# KiCad board CXD-ROUTER-v1.1.0.kicad_pcb (continued)
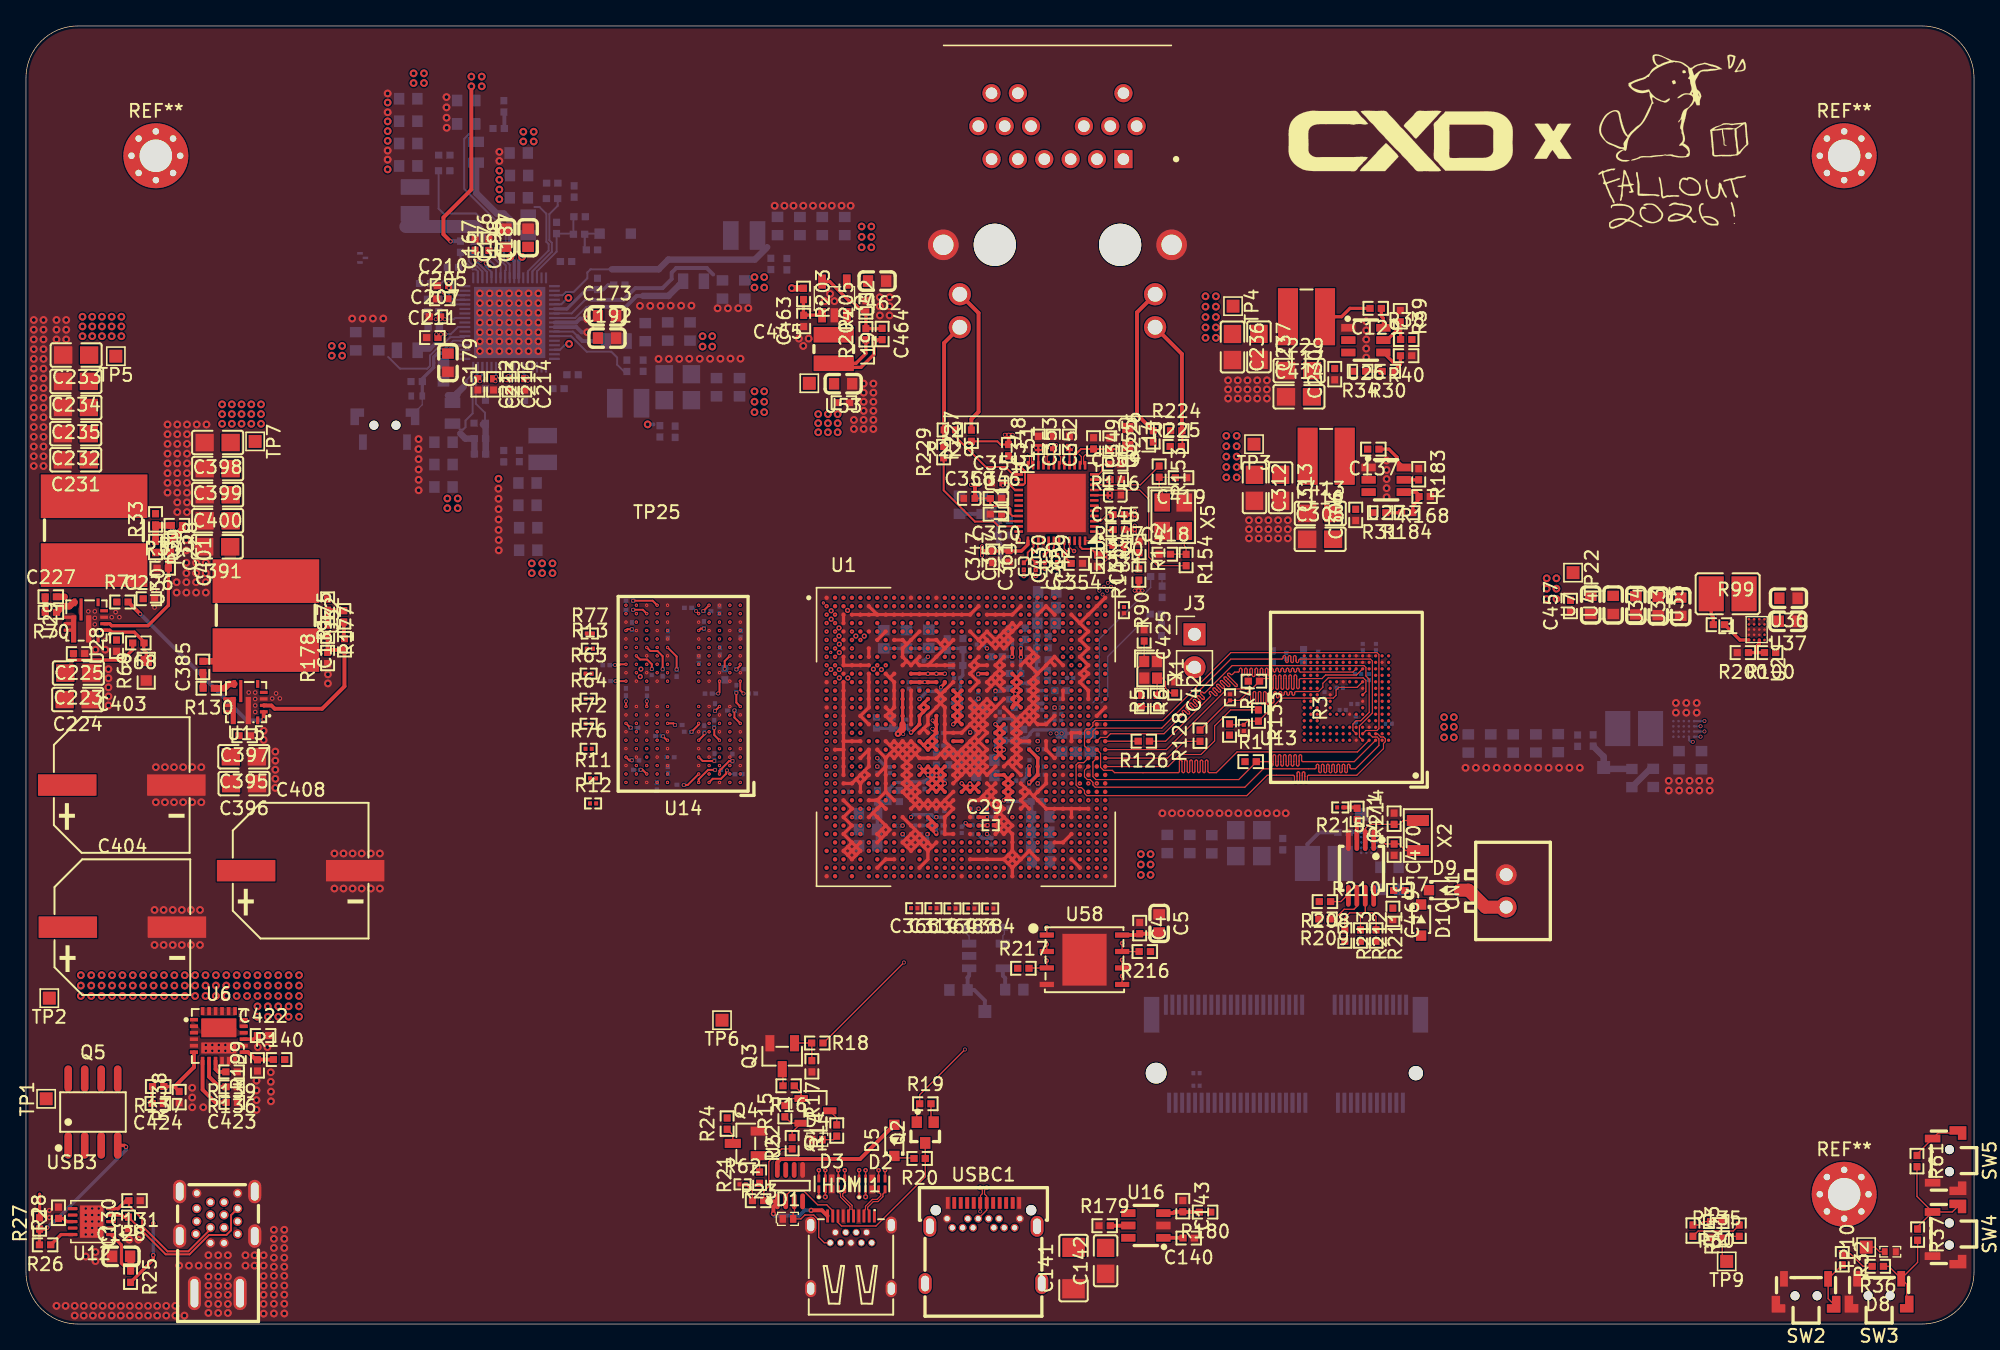
[diagram p0: board, top side]
## Routing (per net, layer and track width the routed paths; a pad name or vN(x,y) marks a point on that pad's centre or on a via; arc(x,y) is an arc through that point) (continued)
eMMC_D4: length 34
  Top w0.09: U13.B3 104.07,45.48 104.32,45.23 104.53,45.23 104.67,45.08 104.67,44.87 104.53,44.73 104.53,44.33 102.48,42.28 98.77,42.28 arc(98.7,42.25) 98.67,42.18 98.67,41.81 arc(98.64,41.74) 98.57,41.71 arc(98.5,41.74) 98.47,41.81 98.47,42.44 arc(98.44,42.51) 98.37,42.54 arc(98.3,42.51) 98.27,42.44 98.27,41.81 arc(98.24,41.74) 98.17,41.71 arc(98.1,41.74) 98.07,41.81 98.07,42.44 arc(98.04,42.51) 97.97,42.54 arc(97.9,42.51) 97.87,42.44 97.87,41.81 arc(97.84,41.74) 97.77,41.71 arc(97.7,41.74) 97.67,41.81 97.67,42.18 arc(97.64,42.25) 97.57,42.28 95.58,42.28 94.01,40.71 81.68,40.71 81.51,40.88 81.51,41.09 81.27,41.33 81.06,41.33 80.86,41.53 80.86,43.07 81.03,43.25 81.45,43.25 U1.Y32
eMMC_D5: length 34
  Top w0.09: U1.AA32 81.51,42.66 81.51,42.17 81.73,41.95 81.93,41.95 82.15,41.73 82.15,41.53 82.33,41.36 93.86,41.36 95.27,42.78 99.25,42.78 arc(99.32,42.8) 99.35,42.88 99.35,43.02 arc(99.38,43.09) 99.45,43.12 arc(99.52,43.09) 99.55,43.02 99.55,42.58 arc(99.58,42.51) 99.65,42.48 arc(99.72,42.51) 99.75,42.58 99.75,43.02 arc(99.78,43.09) 99.85,43.12 arc(99.92,43.09) 99.95,43.02 99.95,42.58 arc(99.98,42.51) 100.05,42.48 arc(100.12,42.51) 100.15,42.58 100.15,43.02 arc(100.18,43.09) 100.25,43.12 arc(100.32,43.09) 100.35,43.02 100.35,42.58 arc(100.38,42.51) 100.45,42.48 arc(100.52,42.51) 100.55,42.58 100.55,43.02 arc(100.58,43.09) 100.65,43.12 arc(100.72,43.09) 100.75,43.02 100.75,42.58 arc(100.78,42.51) 100.85,42.48 arc(100.92,42.51) 100.95,42.58 100.95,43.02 arc(100.98,43.09) 101.05,43.12 arc(101.12,43.09) 101.15,43.02 101.15,42.58 arc(101.18,42.51) 101.25,42.48 arc(101.32,42.51) 101.35,42.58 101.35,43.02 arc(101.38,43.09) 101.45,43.12 arc(101.52,43.09) 101.55,43.02 101.55,42.58 arc(101.58,42.51) 101.65,42.48 arc(101.72,42.51) 101.75,42.58 101.75,43.02 arc(101.78,43.09) 101.85,43.12 arc(101.92,43.09) 101.95,43.02 101.95,42.88 arc(101.98,42.8) 102.05,42.78 102.37,42.78 104.17,44.58 104.17,45.08 104.03,45.23 103.67,45.23 U13.B4
eMMC_D6: length 34
  Top w0.09: U1.W32 81.51,44.55 81.51,45.67 81.68,45.84 81.92,45.84 82.15,46.08 82.15,46.32 82.33,46.5 87.55,46.5 92.77,51.73 104.03,51.73 104.17,51.58 104.17,45.87 104.03,45.73 103.17,45.73 U13.B5
eMMC_D7: length 34.1
  Top w0.09: U13.B6 102.17,45.73 102.17,46.23 102.42,46.47 102.77,46.47 103.42,47.12 103.42,49.68 103.17,49.93 103.17,50.58 103.03,50.73 92.87,50.73 90.79,48.64 arc(90.71,48.61) 90.64,48.64 90.61,48.67 arc(90.54,48.7) 90.47,48.67 arc(90.44,48.6) 90.47,48.53 90.71,48.29 arc(90.74,48.21) 90.71,48.14 arc(90.64,48.11) 90.57,48.14 90.33,48.38 arc(90.26,48.41) 90.19,48.38 arc(90.16,48.31) 90.19,48.24 90.43,48 arc(90.46,47.93) 90.43,47.86 arc(90.36,47.83) 90.29,47.86 90.05,48.1 arc(89.98,48.13) 89.9,48.1 arc(89.88,48.03) 89.9,47.96 90.15,47.72 arc(90.18,47.65) 90.15,47.58 arc(90.08,47.55) 90,47.58 89.76,47.82 arc(89.69,47.85) 89.62,47.82 arc(89.59,47.75) 89.62,47.68 89.86,47.44 arc(89.89,47.37) 89.86,47.3 arc(89.79,47.27) 89.72,47.3 89.48,47.54 arc(89.41,47.57) 89.34,47.54 arc(89.31,47.47) 89.34,47.39 89.58,47.15 arc(89.61,47.08) 89.58,47.01 arc(89.51,46.98) 89.44,47.01 89.2,47.25 arc(89.13,47.28) 89.06,47.25 arc(89.03,47.18) 89.06,47.11 89.09,47.08 arc(89.12,47.01) 89.09,46.94 87.62,45.48 83.5,45.48 83.22,45.2 82.74,45.2 U1.V33
eMMC_DATA_STROBE: length 26.7
  Top w0.09: U13.H5 103.17,48.73 103.17,49.58 102.97,49.78 100.28,49.78 99.86,49.36 99.86,49.06 99.53,48.73 97.79,48.73 arc(97.72,48.7) 97.69,48.62 97.69,48.54 arc(97.66,48.47) 97.59,48.44 arc(97.52,48.47) 97.49,48.54 97.49,48.62 arc(97.46,48.7) 97.39,48.73 arc(97.32,48.7) 97.29,48.62 97.29,48.54 arc(97.26,48.47) 97.19,48.44 arc(97.12,48.47) 97.09,48.54 97.09,48.62 arc(97.06,48.7) 96.99,48.73 arc(96.92,48.7) 96.89,48.62 96.89,48.54 arc(96.86,48.47) 96.79,48.44 arc(96.72,48.47) 96.69,48.54 96.69,48.62 arc(96.66,48.7) 96.59,48.73 arc(96.52,48.7) 96.49,48.62 96.49,48.34 arc(96.46,48.27) 96.39,48.24 arc(96.32,48.27) 96.29,48.34 96.29,48.62 arc(96.26,48.7) 96.19,48.73 arc(96.12,48.7) 96.09,48.62 96.09,47.94 arc(96.06,47.87) 95.99,47.84 arc(95.92,47.87) 95.89,47.94 95.89,48.62 arc(95.86,48.7) 95.79,48.73 arc(95.72,48.7) 95.69,48.62 95.69,47.84 arc(95.66,47.77) 95.59,47.74 arc(95.52,47.77) 95.49,47.84 95.49,48.62 arc(95.46,48.7) 95.39,48.73 arc(95.32,48.7) 95.29,48.62 95.29,47.84 arc(95.26,47.77) 95.19,47.74 arc(95.12,47.77) 95.09,47.84 95.09,48.62 arc(95.06,48.7) 94.99,48.73 arc(94.92,48.7) 94.89,48.62 94.89,47.84 arc(94.86,47.77) 94.79,47.74 arc(94.72,47.77) 94.69,47.84 94.69,48.62 arc(94.66,48.7) 94.59,48.73 arc(94.52,48.7) 94.49,48.62 94.49,47.84 arc(94.46,47.77) 94.39,47.74 arc(94.32,47.77) 94.29,47.84 94.29,48.62 arc(94.26,48.7) 94.19,48.73 94.14,48.73 93.45,48.04 R4.2
  Top w0.1: R128.1 92.68,48.04 R4.2
eMMC_RSTn: length 11.9
  Top w0.09: R3.2 92.74,46.17 C3.1 94.05,46.44 R133.1 96.68,48.23 100.67,48.23 100.87,48.43 100.87,48.83 101.09,49.05 102.49,49.05 U13.K5
FSPI_CLK: length 16.5
  Top w0.1: 84.4,27.47 84.4,28.04
  In1.Cu w0.09: 82.47,40.33 v7(82.75,40.05)
  In2.Cu w0.1: v9(84.39,28.05) 84.3,28.05 83.75,28.6 83.75,37.26 arc(83.78,37.33) 83.85,37.36 83.98,37.36 arc(84.05,37.38) 84.08,37.46 arc(84.05,37.53) 83.98,37.56 83.52,37.56 arc(83.45,37.58) 83.42,37.66 arc(83.45,37.73) 83.52,37.76 83.98,37.76 arc(84.05,37.78) 84.08,37.86 arc(84.05,37.93) 83.98,37.96 83.52,37.96 arc(83.45,37.98) 83.42,38.06 arc(83.45,38.13) 83.52,38.16 83.98,38.16 arc(84.05,38.18) 84.08,38.26 arc(84.05,38.33) 83.98,38.36 83.85,38.36 arc(83.78,38.38) 83.75,38.46 83.75,39.05 v7(82.75,40.05)
  vias: v2(82.45,40.35)
FSPI_CS0: length 15.8
  Top w0.1: v9(78.6,30.55) 78.61,30.55 U58.1
  In1.Cu w0.09: 81.13,42.28 v7(80.85,42)
  In2.Cu w0.1: v7(80.85,42) 80,41.15 80,34.6 arc(80.03,34.53) 80.1,34.5 80.2,34.5 arc(80.27,34.48) 80.3,34.4 arc(80.27,34.33) 80.2,34.3 79.8,34.3 arc(79.73,34.28) 79.7,34.2 arc(79.73,34.13) 79.8,34.1 80.2,34.1 arc(80.27,34.08) 80.3,34 arc(80.27,33.93) 80.2,33.9 79.8,33.9 arc(79.73,33.88) 79.7,33.8 arc(79.73,33.73) 79.8,33.7 80.2,33.7 arc(80.27,33.68) 80.3,33.6 arc(80.27,33.53) 80.2,33.5 80.1,33.5 arc(80.03,33.48) 80,33.4 80,32 78.6,30.6 v9(78.6,30.55)
  vias: v2(81.15,42.3)
FSPI_D0: length 16.5
  Top w0.1: 84.4,26.22 84.4,26.79
  In1.Cu w0.09: 81.82,41.63 v7(82.1,41.35)
  In2.Cu w0.1: v9(84.39,26.8) 83.05,28.14 83.05,39.15 82.1,40.1 v7(82.1,41.35)
  vias: v2(81.8,41.65)
FSPI_D1: length 16.5
  Top w0.1: 78.6,28.68 78.6,29.25
  In1.Cu w0.09: 81.13,41.63 v7(80.85,41.35)
  In2.Cu w0.1: v9(78.6,29.26) 80.85,31.51 80.85,35.76 arc(80.88,35.83) 80.95,35.86 81.05,35.86 arc(81.12,35.89) 81.15,35.96 arc(81.12,36.03) 81.05,36.06 80.65,36.06 arc(80.58,36.09) 80.55,36.16 arc(80.58,36.23) 80.65,36.26 81.05,36.26 arc(81.12,36.29) 81.15,36.36 arc(81.12,36.43) 81.05,36.46 80.65,36.46 arc(80.58,36.49) 80.55,36.56 arc(80.58,36.63) 80.65,36.66 81.05,36.66 arc(81.12,36.69) 81.15,36.76 arc(81.12,36.83) 81.05,36.86 80.95,36.86 arc(80.88,36.89) 80.85,36.96 v7(80.85,41.35)
  vias: v2(81.15,41.65)
FSPI_D2: length 17.9
  Top w0.1: U58.3 77.26,27.43 R217.2 ; 78.6,27.41 78.6,27.99
  In1.Cu w0.09: 81.78,40.33 v7(81.5,40.05)
  In2.Cu w0.1: v7(81.5,40.05) 81.5,38.99 arc(81.53,38.92) 81.6,38.89 81.73,38.89 arc(81.8,38.86) 81.83,38.79 arc(81.8,38.72) 81.73,38.69 81.27,38.69 arc(81.2,38.66) 81.17,38.59 arc(81.2,38.52) 81.27,38.49 81.73,38.49 arc(81.8,38.46) 81.83,38.39 arc(81.8,38.32) 81.73,38.29 81.27,38.29 arc(81.2,38.26) 81.17,38.19 arc(81.2,38.12) 81.27,38.09 81.4,38.09 arc(81.47,38.06) 81.5,37.99 81.5,30.89 v9(78.6,27.99)
  vias: v2(81.8,40.35)
FSPI_D3: length 17.4
  Top w0.1: R216.2 84.41,28.7 84.4,28.7 ; 84.4,28.76 84.4,29.34
  In1.Cu w0.09: v2(82.45,41.65) v7(82.73,41.37)
  In2.Cu w0.1: v7(82.73,41.37) 82.73,41.32 83.2,40.85 arc(83.27,40.82) 83.34,40.85 83.45,40.95 arc(83.52,40.98) 83.59,40.95 arc(83.62,40.88) 83.59,40.81 83.24,40.46 arc(83.21,40.39) 83.24,40.32 arc(83.31,40.29) 83.38,40.32 83.73,40.67 arc(83.8,40.7) 83.87,40.67 arc(83.9,40.6) 83.87,40.53 83.52,40.18 arc(83.49,40.11) 83.52,40.04 arc(83.59,40.01) 83.66,40.04 83.77,40.14 arc(83.84,40.17) 83.91,40.14 84.4,39.65 84.4,39.1 84.4,39.1 v9(84.4,29.34)
HDMI_RX_CEC: length 26.8
  Top w0.1: v5(72.3,21.15) 68.81,17.66 R19.1 68.59,16.75 Q2.1
  In1.Cu w0.1: v2(75.95,39.05) v7(76.25,38.75)
  In2.Cu w0.1: v7(76.25,38.75) 76.3,38.7 76.3,25.15 v5(72.3,21.15)
HDMI_RX_CEC_PORT: length 11.5
  Top w0.1: Q2.3 69.24,12.76 ; R20.1 69.24,11.34 65.45,7.55 62.8,7.55 62.52,7.83 HDMI1.15
HDMI_RX_CLK_PORT_N: length 35.9
  Top w0.09: D3.1 v4(61.05,9.8)
  Top w0.091: D3.10 v9(61.05,11.85)
  In1.Cu w0.09: 63.94,40.01 64.26,39.69
  In2.Cu w0.09: HDMI1.14 62.72,7.82 61.21,9.33 61.21,9.64 v4(61.05,9.8)
  In2.Cu w0.091: v7(63.93,40.01) 64.12,39.81 64.12,39.67 64.01,39.56 63.16,39.56 61.19,37.59 61.19,11.99 v9(61.05,11.85)
  vias: v2(64.27,39.69)
HDMI_RX_CLK_PORT_P: length 35.8
  Top w0.09: D3.2 v4(61.55,9.8)
  Top w0.091: D3.9 v9(61.55,11.85)
  In1.Cu w0.09: 64.59,40.06 64.91,39.74
  In2.Cu w0.09: HDMI1.12 62.89,7.29 62.89,7.89 62.7,8.09 arc(62.67,8.14) 62.7,8.2 arc(62.72,8.25) 62.7,8.3 62.59,8.41 arc(62.54,8.43) 62.48,8.41 arc(62.43,8.39) 62.38,8.41 62.27,8.52 arc(62.25,8.57) 62.27,8.62 arc(62.29,8.67) 62.27,8.73 62.17,8.83 arc(62.11,8.86) 62.06,8.83 arc(62.01,8.81) 61.95,8.83 61.85,8.94 arc(61.83,8.99) 61.85,9.05 arc(61.87,9.1) 61.85,9.15 61.74,9.26 arc(61.69,9.28) 61.64,9.26 arc(61.58,9.24) 61.53,9.26 61.39,9.4 61.39,9.64 v4(61.55,9.8)
  In2.Cu w0.091: v7(64.58,40.06) 64.33,39.81 64.33,39.58 64.09,39.34 63.24,39.34 61.41,37.51 61.41,11.99 v9(61.55,11.85)
  vias: v2(64.92,39.74)
HDMI_RX_D0_PORT_N: length 33.6
  Top w0.09: HDMI1.11 63.33,8.72 63.44,8.83 63.44,9.07 62.72,9.79 62.72,10.03 62.55,10.19 D3.4
  Top w0.091: D3.7 v9(62.55,11.85)
  In1.Cu w0.09: 63.3,38.71 63.61,39.03
  In2.Cu w0.091: v9(62.55,11.85) 62.69,11.99 62.69,12.7 arc(62.67,12.76) 62.61,12.79 62.59,12.79 arc(62.38,12.87) 62.29,13.08 arc(62.38,13.29) 62.59,13.38 63.01,13.38 arc(63.07,13.4) 63.1,13.46 arc(63.07,13.53) 63.01,13.55 62.59,13.55 arc(62.38,13.64) 62.29,13.85 arc(62.38,14.06) 62.59,14.14 63.01,14.14 arc(63.07,14.17) 63.1,14.23 arc(63.07,14.29) 63.01,14.32 62.99,14.32 arc(62.78,14.4) 62.69,14.61 62.69,34.86 62.32,35.24 62.32,37.22 63.52,38.42 63.52,38.48 v7(63.3,38.7)
  vias: v2(63.61,39.04)
HDMI_RX_D0_PORT_P: length 33.6
  Top w0.09: D3.5 63.05,10.19 62.88,10.03 62.88,9.86 63.61,9.14 63.61,8.83 63.72,8.72 HDMI1.9
  Top w0.091: D3.6 v9(63.05,11.85)
  In1.Cu w0.09: 63.95,38.71 64.26,39.03
  In2.Cu w0.091: v7(63.95,38.7) 63.73,38.48 63.73,38.33 62.53,37.13 62.53,35.32 62.91,34.94 62.91,14.61 arc(62.93,14.55) 62.99,14.53 63.01,14.53 arc(63.22,14.44) 63.31,14.23 arc(63.22,14.02) 63.01,13.93 62.59,13.93 arc(62.53,13.91) 62.5,13.85 arc(62.53,13.79) 62.59,13.76 63.01,13.76 arc(63.22,13.67) 63.31,13.46 arc(63.22,13.25) 63.01,13.17 62.59,13.17 arc(62.53,13.14) 62.5,13.08 arc(62.53,13.02) 62.59,13 62.61,13 arc(62.82,12.91) 62.91,12.7 62.91,11.99 v9(63.05,11.85)
  vias: v2(64.26,39.04)
HDMI_RX_D1_PORT_N: length 35.2
  Top w0.09: D2.1 v4(64.15,9.8)
  Top w0.091: D2.10 v9(64.15,11.85)
  In1.Cu w0.09: 64.57,38.71 64.25,38.4
  In2.Cu w0.09: HDMI1.8 64.15,7.29 64.15,7.47 64.31,7.63 64.31,7.78 arc(64.29,7.84) 64.24,7.86 arc(64.19,7.88) 64.17,7.93 64.17,8.08 arc(64.19,8.14) 64.24,8.16 arc(64.29,8.18) 64.31,8.23 64.31,8.38 arc(64.29,8.44) 64.24,8.46 arc(64.19,8.48) 64.17,8.53 64.17,8.68 arc(64.19,8.74) 64.24,8.76 arc(64.29,8.78) 64.31,8.83 64.31,8.98 arc(64.29,9.04) 64.24,9.06 arc(64.19,9.08) 64.17,9.13 64.17,9.28 arc(64.19,9.34) 64.24,9.36 arc(64.29,9.38) 64.31,9.43 64.31,9.64 v4(64.15,9.8)
  In2.Cu w0.091: v7(64.6,38.75) 64.6,38.39 64.37,38.16 63.86,38.16 63.01,37.31 63.01,35.64 63.59,35.06 63.59,32.43 arc(63.57,32.38) 63.52,32.36 arc(63.48,32.35) 63.46,32.3 63.46,32.13 arc(63.48,32.08) 63.52,32.06 arc(63.57,32.05) 63.59,32 63.59,18.64 64.3,17.93 64.3,15.69 arc(64.38,15.5) 64.57,15.42 arc(64.62,15.4) 64.64,15.35 64.64,15.32 arc(64.62,15.27) 64.57,15.25 64.23,15.25 arc(64.03,15.17) 63.95,14.97 63.95,14.95 arc(64.03,14.75) 64.23,14.67 64.57,14.67 arc(64.62,14.65) 64.64,14.6 64.64,14.56 arc(64.62,14.51) 64.57,14.49 arc(64.38,14.41) 64.3,14.22 64.3,12 v9(64.15,11.85)
  vias: v2(64.25,38.4)
HDMI_RX_D1_PORT_P: length 35.4
  Top w0.09: D2.2 v4(64.65,9.8)
  Top w0.091: D2.9 v9(64.65,11.85)
  In1.Cu w0.09: 65.2,38.7 64.89,38.39
  In2.Cu w0.09: HDMI1.6 64.33,7.4 64.48,7.56 64.48,9.64 v4(64.65,9.8)
  In2.Cu w0.091: v9(64.65,11.85) 64.5,12 64.5,14.22 arc(64.52,14.27) 64.57,14.29 arc(64.76,14.37) 64.84,14.56 64.84,14.6 arc(64.76,14.8) 64.57,14.87 64.23,14.87 arc(64.18,14.9) 64.15,14.95 64.15,14.97 arc(64.18,15.02) 64.23,15.05 64.57,15.05 arc(64.76,15.13) 64.84,15.32 64.84,15.35 arc(64.76,15.54) 64.57,15.62 arc(64.52,15.64) 64.5,15.69 64.5,18.03 63.8,18.73 63.8,35.15 63.22,35.73 63.22,37.22 63.94,37.94 64.46,37.94 v7(65.24,38.72)
  vias: v2(64.9,38.4)
HDMI_RX_D2_PORT_N: length 34
  Top w0.09: HDMI1.5 64.52,8.72 64.64,8.83 64.64,9.07 65.17,9.6 65.53,9.6 65.81,9.89 65.81,10.02 65.65,10.18 D2.4
  Top w0.091: D2.7 v9(65.65,11.85)
  In1.Cu w0.09: 63.92,37.44 63.61,37.75
  In2.Cu w0.091: v7(63.94,37.44) 64,37.38 64,35.7 64.79,34.91 64.79,32.81 arc(64.76,32.76) 64.71,32.73 arc(64.65,32.71) 64.63,32.65 64.63,32.51 arc(64.65,32.46) 64.71,32.43 arc(64.76,32.41) 64.79,32.35 64.79,32.21 arc(64.76,32.16) 64.71,32.13 arc(64.65,32.11) 64.63,32.05 64.63,31.91 arc(64.65,31.86) 64.71,31.83 arc(64.76,31.81) 64.79,31.75 64.79,31.61 arc(64.76,31.56) 64.71,31.53 arc(64.65,31.51) 64.63,31.45 64.63,31.31 arc(64.65,31.26) 64.71,31.23 arc(64.76,31.21) 64.79,31.15 64.79,20.01 65.8,19 65.8,17.98 arc(65.77,17.92) 65.71,17.89 65.69,17.89 arc(65.48,17.81) 65.4,17.61 arc(65.48,17.4) 65.69,17.32 66.11,17.32 arc(66.17,17.3) 66.2,17.23 arc(66.17,17.17) 66.11,17.15 65.69,17.15 arc(65.48,17.07) 65.4,16.86 arc(65.48,16.66) 65.69,16.58 66.11,16.58 arc(66.17,16.55) 66.2,16.49 arc(66.17,16.43) 66.11,16.41 65.69,16.41 arc(65.48,16.32) 65.4,16.12 arc(65.48,15.92) 65.69,15.84 65.71,15.84 arc(65.77,15.81) 65.8,15.75 65.8,12 v9(65.65,11.85)
  vias: v2(63.6,37.75)
HDMI_RX_D2_PORT_P: length 33.6
  Top w0.09: HDMI1.3 64.92,8.72 64.81,8.83 64.81,9 65.24,9.43 65.6,9.43 65.98,9.81 65.98,10.02 66.15,10.18 D2.5
  Top w0.091: D2.6 v9(66.15,11.85)
  In1.Cu w0.09: v7(64.6,37.4) 64.24,37.76
  In2.Cu w0.091: v7(64.6,37.4) 64.55,37.4 64.21,37.06 64.21,35.79 65,35 65,20.15 66,19.15 66,17.98 arc(65.92,17.78) 65.71,17.69 65.69,17.69 arc(65.63,17.67) 65.6,17.61 arc(65.63,17.55) 65.69,17.52 66.11,17.52 arc(66.32,17.44) 66.4,17.23 arc(66.32,17.03) 66.11,16.95 65.69,16.95 arc(65.63,16.92) 65.6,16.86 arc(65.63,16.8) 65.69,16.78 66.11,16.78 arc(66.32,16.69) 66.4,16.49 arc(66.32,16.29) 66.11,16.21 65.69,16.21 arc(65.63,16.18) 65.6,16.12 arc(65.63,16.06) 65.69,16.04 65.71,16.04 arc(65.92,15.95) 66,15.75 66,12 v9(66.15,11.85)
  vias: v2(64.25,37.75)
HDMIIRX_HPDOUT_H: length 35.7
  Top w0.1: v5(67.6,27.85) 61.4,21.65 R18.2
  In1.Cu w0.1: v2(78.55,42.95) v7(78.85,42.65)
  In2.Cu w0.1: v5(67.6,27.85) 75.2,35.45 75.2,38.8 75.8,39.4 76.62,39.4 77.05,38.98 77.05,36.8 77.45,36.4 78.3,36.4 78.7,36.8 78.7,42.1 78.85,42.25 v7(78.85,42.65)
I2C0_SCL_M2: length 0.5
  Bottom w0.15: U54.A3 128.94,46.05 v5(128.94,46.05)
I2C0_SDA_M2: length 0.6
  Bottom w0.15: v5(128.34,44.85) 128.19,44.85 128.05,44.99 U54.B1
PCIE20_2_REFCLKN: length 10
  Top w0.091: v9(80.7,59.55) 80.65,59.55 80.35,59.85 U11.45
  In1.Cu w0.091: v2(80.5,52.05) v10(80.85,51.7)
  In2.Cu w0.091: v10(80.85,51.7) 80.85,51.78 81.45,52.37 81.45,57.11 80.5,58.06 80.5,59.04 80.65,59.2 80.65,59.5 v9(80.7,59.55)
PCIE20_2_REFCLKP: length 10
  Top w0.091: U11.44 79.95,59.74 80.17,59.51 v9(80.24,59.45)
  In1.Cu w0.091: v2(81.15,52.05) v10(80.8,52.4)
  In2.Cu w0.091: v9(80.24,59.45) 80.24,58.96 80.2,58.92 80.2,57.94 80.27,57.87 arc(80.32,57.77) 80.27,57.66 arc(80.23,57.55) 80.27,57.45 arc(80.38,57.4) 80.48,57.45 arc(80.59,57.49) 80.7,57.45 arc(80.74,57.34) 80.7,57.24 arc(80.65,57.13) 80.7,57.02 arc(80.8,56.98) 80.91,57.02 arc(81.01,57.07) 81.12,57.02 81.15,56.99 81.15,52.45 81.05,52.35 80.85,52.35 v10(80.8,52.4)
PCIE20_2_RXN: length 14.5
  Top w0.13: C360.1 77.46,58.94 77.46,59.29 77.92,59.74 77.92,60.07 77.95,60.11 U11.39
  In1.Cu w0.13: v2(77.75,58.1) v6(77.75,57.65) ; 80.48,50.73 v7(80.15,50.4)
  In2.Cu w0.13: v7(80.15,50.4) 80.31,50.24 80.31,49.94 79.97,49.61 79.52,49.61 78.77,50.37 78.77,54.07 78.6,54.24 arc(78.56,54.32) 78.6,54.41 arc(78.63,54.49) 78.6,54.57 78.53,54.64 arc(78.45,54.67) 78.36,54.64 arc(78.28,54.6) 78.19,54.64 78.13,54.7 arc(78.1,54.79) 78.13,54.87 arc(78.17,54.96) 78.13,55.04 78.07,55.11 arc(77.98,55.14) 77.9,55.11 arc(77.81,55.07) 77.73,55.11 77.46,55.37 77.46,55.81 arc(77.49,55.89) 77.58,55.93 arc(77.66,55.96) 77.7,56.05 77.7,56.14 arc(77.66,56.22) 77.58,56.26 arc(77.49,56.29) 77.46,56.38 77.46,56.47 arc(77.49,56.55) 77.58,56.59 arc(77.66,56.62) 77.7,56.71 77.7,56.8 arc(77.66,56.88) 77.58,56.92 arc(77.49,56.95) 77.46,57.04 77.46,57.36 v6(77.75,57.65)
  vias: v2(80.5,50.75)
PCIE20_2_RXP: length 14.5
  Top w0.13: C361.2 77.13,58.94 77.13,59.43 77.58,59.88 77.58,60.07 77.55,60.11 U11.38
  In1.Cu w0.13: 81.13,50.73 v7(80.8,50.4) ; v2(76.84,58.1) v6(76.84,57.65)
  In2.Cu w0.13: v6(76.84,57.65) 77.13,57.36 77.13,55.24 78.43,53.93 78.43,50.23 79.39,49.28 80.11,49.28 80.64,49.81 80.64,50.24 v7(80.8,50.4)
  vias: v2(81.15,50.75)
PCIE20_2_TXN: length 10.1
  Top w0.13: 79.15,60.34 79.15,59.84 79.12,59.81 79.12,59.58 79.45,59.25 79.45,59.23
  In1.Cu w0.13: v7(80.15,51.1) v2(79.85,51.4) ; v2(79.4,58.68) 79.4,58.23
  In2.Cu w0.13: v6(79.4,58.23) 79.4,58.17 79.12,57.89 79.12,55.62 80.48,54.25 80.48,52.08 80.5,52.06 80.5,51.44 80.16,51.1 v7(80.15,51.1)
PCIE20_2_TXP: length 10.3
  Top w0.13: 78.75,60.34 78.75,59.84 78.78,59.81 78.78,59.58 78.45,59.25 C429.1
  In1.Cu w0.13: v2(78.45,58.68) v6(78.45,58.23) ; 80.48,51.42 v7(80.15,51.75)
  In2.Cu w0.13: v7(80.15,51.75) 80.15,54.12 79.91,54.36 arc(79.83,54.39) 79.76,54.36 arc(79.68,54.33) 79.61,54.36 79.53,54.44 arc(79.49,54.52) 79.53,54.59 arc(79.56,54.67) 79.53,54.74 79.44,54.83 arc(79.37,54.86) 79.29,54.83 arc(79.22,54.79) 79.14,54.83 79.06,54.91 arc(79.03,54.98) 79.06,55.06 arc(79.09,55.13) 79.06,55.21 78.78,55.48 78.78,55.86 arc(78.75,55.94) 78.68,55.97 arc(78.6,56) 78.57,56.07 78.57,56.19 arc(78.6,56.27) 78.68,56.3 arc(78.75,56.33) 78.78,56.4 78.78,56.52 arc(78.75,56.6) 78.68,56.63 arc(78.6,56.66) 78.57,56.73 78.57,56.85 arc(78.6,56.93) 78.68,56.96 arc(78.75,56.99) 78.78,57.06 78.78,57.89 v6(78.45,58.23)
  vias: v2(80.5,51.4)
PCIE30x2_PERSTn_M1_L: length 24.8
  Top w0.09: 76.44,61.05 76.44,60.41 v9(76.45,60.4)
  In1.Cu w0.1: 77.88,37.12 v7(77.55,37.45)
  In2.Cu w0.1: v9(76.45,60.4) 76.45,59.1 76.15,58.8 76.15,54.05 76.9,53.3 76.9,40.2 77.55,39.55 v7(77.55,37.45)
  vias: v2(77.9,37.1)
PMIC_EXT_EN_OUT: length 19.7
  Top w0.5: R203.1 58.98,79.8 v1(58.97,79.81)
  In4.Cu w0.5: v1(41.77,79.05) 41.83,79.11 58.27,79.11 v1(58.97,79.81)
  Bottom w0.15: v1(41.77,79.05) 41.72,79.05 41.22,78.56 U18.39
PMIC_INT_L: length 2.7
  Bottom w0.15: U18.19 34.79,81.1 34.64,81.25 34.39,81.25 33.45,82.19 R57.1
PMIC_PWR_CTRL2: length 0.8
  Bottom w0.1: R114.2 87.43,54.68 R112.1
PMIC_PWR_CTRL3: length 0.7
  Bottom w0.1: R113.2 87.48,56.86 R111.1
PMIC_SPI_MOSI: length 3.6
  Bottom w0.15: U18.15 32.99,79.25 32.89,79.35 32.89,80.26 32.68,80.48 32.27,80.48 31.94,80.15 31.34,80.15
POW_EXT_SWR: length 1.2
  Top w0.254: R183.2 107.23,65.04 U27.5
PWRON_L: length 8
  Bottom w0.09: D7.1 30.51,70.81 29.77,70.07 SW1.4
  Bottom w0.254: 30.5,72.67 30.5,72.81 31.39,73.7 31.39,74.5 31.69,74.8 32.35,74.8 32.95,75.41 U18.4 ; C201.1 30.51,71.54 30.56,71.49
RESET_L: length 5.3
  Bottom w0.254: R56.1 45.24,80.05 44.81,80.05 44.46,79.7 C202.2 43.99,79.71 43.15,79.71 41.65,78.21 U18.40
RTC_INT_L: length 1.1
  Top w0.3: R214.1 102.43,39.8 R215.1
SARADC_VIN1_KEY/RECOVERY: length 4.3
  Top w0.1: R36.2 141.45,4.44 140.48,5.43 R32.1 ; D8.2 142.73,5.57 142.38,5.93 TP10.1
SARADC_VIN5_EVB_HW_ID: length 1.5
  Top w0.1: R60.2 129.14,7.9 128.88,7.64 R143.1
TYPEC1_USB20_OTG_D_N: length 34
  Top w0.09: v3(73.98,10.5) 73.81,10.34 73.81,10.02 73.98,9.85 73.98,9.33
  Top w0.1: 73.98,9.33 73.98,8.77 USBC1.B7
  In1.Cu w0.1: v2(64.9,36.45) v7(65.2,36.15)
  In2.Cu w0.09: v7(65.2,36.15) 65.82,36.15 66.64,35.34 66.64,27.63 arc(66.66,27.56) 66.73,27.53 arc(66.8,27.5) 66.83,27.43 66.83,27.33 arc(66.8,27.26) 66.73,27.23 arc(66.66,27.2) 66.64,27.13 66.64,27.03 arc(66.66,26.96) 66.73,26.93 arc(66.8,26.9) 66.83,26.83 66.83,26.73 arc(66.8,26.66) 66.73,26.63 arc(66.66,26.6) 66.64,26.53 66.64,26.43 arc(66.66,26.36) 66.73,26.33 arc(66.8,26.3) 66.83,26.23 66.83,26.13 arc(66.8,26.06) 66.73,26.03 arc(66.66,26) 66.64,25.93 66.64,25.83 arc(66.66,25.76) 66.73,25.73 arc(66.8,25.7) 66.83,25.63 66.83,25.53 arc(66.8,25.46) 66.73,25.43 arc(66.66,25.4) 66.64,25.33 66.64,25.23 arc(66.66,25.16) 66.73,25.13 arc(66.8,25.1) 66.83,25.03 66.83,24.93 arc(66.8,24.86) 66.73,24.83 arc(66.66,24.8) 66.64,24.73 66.64,23.54 73.81,16.36 73.81,10.66 v3(73.98,10.5)
TYPEC1_USB20_OTG_D_P: length 33.9
  Top w0.09: v3(73.48,10.5) 73.64,10.34 73.64,10.04 73.5,9.9 73.5,9.36 73.48,9.33
  Top w0.1: 73.48,9.33 73.48,9.33 v5(73.48,8.67)
  In1.Cu w0.1: v2(64.9,37.1) v7(64.6,36.8)
  In2.Cu w0.09: v3(73.48,10.5) 73.64,10.66 73.64,16.29 66.46,23.46 66.46,35.26 65.93,35.8 65,35.8 64.6,36.2 v7(64.6,36.8)
  In2.Cu w0.1: USBC1.B6 74.03,8.12 v5(73.48,8.67)
U29_PG: length 14.8
  Top w0.3: R71.2 7.88,55.62 v5(8.8,54.7) ; v3(18.31,46.59) U15.1
  Bottom w0.3: v3(18.31,46.59) 18.22,46.5 17,46.5 v5(8.8,54.7)
UART2_RX_M0: length 11.9
  In1.Cu w0.1: v2(79.85,46.85) v7(80.15,46.55)
  In2.Cu w0.09: v7(80.15,46.55) 85.93,46.55 J3.2
UART2_TX_M0: length 12.7
  In1.Cu w0.1: v2(79.85,47.5) v7(80.15,47.2)
  In2.Cu w0.09: J3.1 89.83,53.14 83.9,47.2 v7(80.15,47.2)
Net-(C139-Pad2): length 1.3
  Top w0.3: C139.2 24.47,52.86 R175.1
Net-(C227-Pad1): length 1.2
  Top w0.5: R70.2 1.47,54.84 C227.1
Net-(C228-Pad1): length 1.6
  Top w0.5: C228.1 12.05,61.25 R73.1
Net-(C385-Pad1): length 1.2
  Top w0.5: 13.61,50.19 13.64,50.17 R130.2
Net-(C418-Pad2): length 3.1
  Top w0.09: C418.2 89.31,59.31 R154.1 89.33,59.82 89.19,59.96 X5.3
Net-(C419-Pad2): length 3.3
  Top w0.09: X5.1 87.49,64.31 87.26,64.55 R153.2 88.48,65.23 C419.2
Net-(C426-Pad2): length 3.5
  Top w0.09: R5.2 87.1,49.75 87.09,49.76 87.49,49.76 87.75,49.5 87.75,49 88.14,48.62 C426.2
Net-(CN1-POS): length 4.1
  Top w1: D9.2 111.08,33.43 112.38,32.12 CN1.1
Net-(D4-Pad2): length 1.2
  Top w0.1: D4.2 62.16,14.2 R14.1
Net-(D5-K): length 2.1
  Top w0.1: 68.33,12.65 68.18,12.8 67.01,12.8 D5.1 66.91,12.95 67.21,12.65
Net-(D6-K): length 2.4
  Bottom w0.15: D6.1 43.06,84 R53.2 43.02,82.88 C199.1
Net-(J2-LEDG1+): length 10.1
  Top w0.15: R224.2 89.05,68.78 89.05,67.57
  Top w0.3: J2.17 89.01,74.73 R224.2
Net-(J2-LEDG1-): length 11.6
  Top w0.3: J2.16 85.55,77.94 85.55,70.07 R226.2
Net-(J2-LEDY+): length 9.7
  Top w0.3: R229.2 70.7,67.64 70.7,75.58 J2.19
Net-(J2-LEDY-): length 11.3
  Top w0.3: R227.2 72.8,69.72 73.35,70.28 73.35,77.89 J2.18
Net-(Q1-D): length 1.3
  Top w0.1: Q1.3 62.43,15.88 R14.2
Net-(Q1-G): length 2.7
  Top w0.1: R16.1 59.69,17.82 Q1.1 58.97,17.37 58.9,17.3 ; 58.9,17.3 58.9,17.3 ; 58.9,17.3 R15.2
Net-(Q1-S): length 2.9
  Top w0.1: R15.1 58.93,15.47 Q1.2 59,14.78 R22.2
Net-(Q3-B): length 2.7
  Top w0.1: R18.1 60.51,21.64 R17.1 ; R18.1 59.2,21.65 Q3.1 ; R18.1 60.48,21.63
Net-(Q3-C): length 1.3
  Top w0.1: R16.2 58.29,19.57 Q3.3
Net-(Q4-B): length 1.3
  Top w0.1: R21.2 56.49,12.9 Q4.1
Net-(Q5-G): length 11.4
  Top w0.254: v3(7.7,13.65) 7.59,13.76 Q5.4 7.12,13.7 ; R26.2 1.04,7.3 R27.1 1.52,7.32 v3(1.62,7.43)
  Bottom w0.254: v3(1.62,7.43) 1.95,7.75 2.05,7.75 7.7,13.4 v3(7.7,13.65)
Net-(R21-Pad1): length 2.6
  Top w0.1: R21.1 56.41,10.76 R62.2 55.94,10.24 R23.1
Net-(R29-Pad1): length 2.5
  Top w0.5: R29.1 R33.1 10,61.53 R73.2
Net-(R30-Pad2): length 1.3
  Top w0.254: R30.2 103.17,73.4 R34.1
Net-(R32-Pad2): length 3.7
  Top w0.1: SW2.4 138.77,1.95 SW2.1 139.84,4.56 R32.2
Net-(R36-Pad1): length 7.4
  Top w0.1: SW3.4 144.82,3.06 SW3.1 ; SW3.1 145.65,4.75 R37.2 ; SW3.1 143.44,4.44 R36.1
Net-(R37-Pad1): length 7.9
  Top w0.1: R37.1 145.65,7.49 SW4.1 ; R61.2 145.61,9.83 SW4.1 ; SW4.4 148.33,8.64 SW4.1
Net-(R61-Pad1): length 3.9
  Top w0.1: SW5.4 147.24,14.72 145.61,13.09 R61.1
Net-(R175-Pad2): length 2.4
  Top w0.3: R177.1 R176.1 24.44,54.98 R175.2
Net-(R184-Pad2): length 1.2
  Top w0.254: R184.2 R31.1
Net-(U1C-EMMC_CLKOUT/GPIO2_A1_D): length 2.5
  Top w0.09: R126.2 83.1,44.9
Net-(U1C-EMMC_DATA_STROBE/I2C2_SDA_M2/UART5_CTSN_M1/GPIO2_A2_D): length 7.8
  Top w0.09: 83.1,43.6 87.9,43.6 89.19,44.89 R128.2
